# Altium PCB PCB1.PcbDoc (continued)
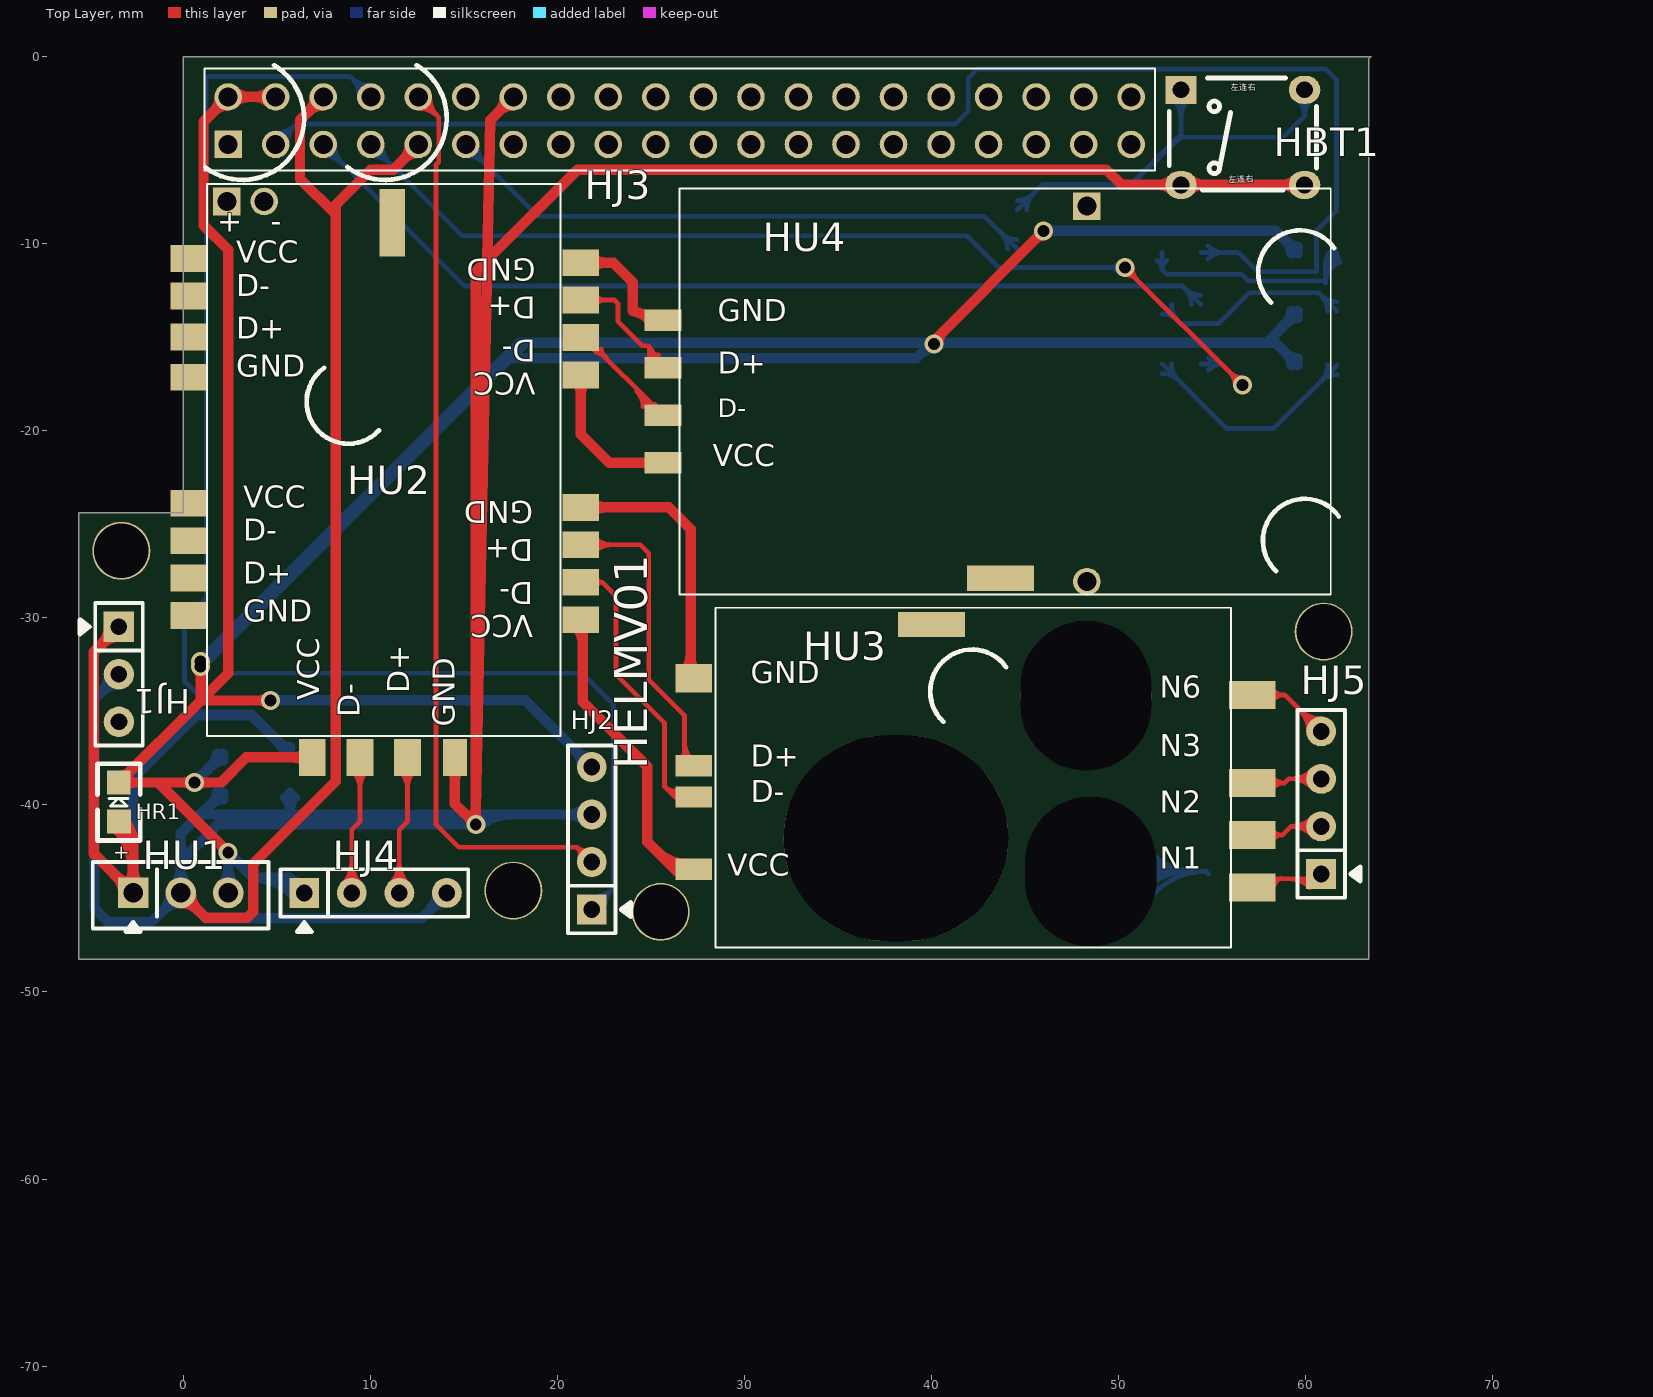
[diagram p0: Top Layer view]
## Footprints (in the part's own frame and the unit in brackets; to place one, negate y for a bottom-side part, rotate by r counter-clockwise, add the part's x,y. Pads: shape width x height; smd on the part's side, far side on the other; paste and mask are expansions set on the pad) (continued)
PI_CONNECTOR [mil] "pi3上的40针"
  rect 58x58 hole 40: 1(0,0)
  round 58 hole 40: 2(100,0) 3(0,-100) 4(100,-100) 5(0,-200) 6(100,-200) 7(0,-300) 8(100,-300) 9(0,-400) 10(100,-400) 11(0,-500) 12(100,-500) 13(0,-600) 14(100,-600) 15(0,-700) 16(100,-700) 17(0,-800) 18(100,-800) 19(0,-900) 20(100,-900) 21(0,-1000) 22(100,-1000) 23(0,-1100) 24(100,-1100) 25(0,-1200) 26(100,-1200) 27(0,-1300) 28(100,-1300) 29(0,-1400) 30(100,-1400) 31(0,-1500) 32(100,-1500) 33(0,-1600) 34(100,-1600) 35(0,-1700) 36(100,-1700) 37(0,-1800) 38(100,-1800) 39(0,-1900) 40(100,-1900)
  silkscreen extent -75,-1950 167,50
TO220_1 [mil]
  rect 64x64 hole 41: 1(0,0)
  round 65 hole 41: 2(100,0) 3(200,0)
  silkscreen extent -85,-82 285,65
USBHUB [mil] "USBÒ"
  rect 56.3x77 smd: 1(-562.95,-525) 2(-462.95,-525) 3(-362.95,-525)
  rect 51.18x77 smd: 4(-262.95,-525)
  rect 77x56.3 smd: 5(2.05,-235) 6(2.05,-156.26) 7(2.05,-77.52) 8(2.05,1.22) 9(2.05,280) 10(2.05,358.74) 11(2.05,437.48) 12(2.05,516.22) 13(-822.95,525) 14(-822.95,446.26) 15(-822.95,360) 16(-822.95,275) 17(-822.95,10) 18(-822.95,-68.74) 19(-822.95,-147.48) 20(-822.95,-226.22)
  rect 58x58 hole 40: 21(-742.95,645)
  round 58 hole 40: 22(-664.21,645)
  rect 53.15x141.73 smd: 23(-395,600)
  silkscreen extent -785,-480 -41,681
USBNET_LUSHL [mil] "铝壳USB"
  rect 45x77 smd: 1(-164.57,-45) 2(-316.93,-45) 3(-382.68,-45)
  rect 60.24x77 smd: 4(-566.54,-45)
  oval 433.07x472.44 hole 433.07 slot 472.44 at 90 deg: 5(-230,380)
  round 275.59 hole 275.59 slot 314.96 at 0 deg: 6(-530,780) 8(-160,790)
  rect 53.15x141.73 smd: 7(-680,455)
  rect 59.06x98.43 smd: 8(-126.54,1130) 9(-236.54,1130) 10(-346.54,1130) 11(-531.54,1130)
  silkscreen extent -715,0 0,1085

## Part data
HBT1: library part "HEADER 2X2"
HC1 HC2: library part CD
HJ1 HU1: library part CON3, "Connector"
HJ2 HJ4 HJ5: library part C, "Connector"
HJ3: library part PI_CONNECTOR
HL1 HL2 HL3: library part LED1
HR1 HR2 HR3 HR4 HR5: library part R
HU2: "USB一转四"
HU3: "铝壳USB转NET"
HU4: "绿联声卡"

## Free pads (board coordinates)
  round 3.099 hole 2.921: 0(-3.302,-26.416) 0(17.653,-44.577) 0(25.527,-45.72) 0(60.96,-30.734)

## Via types
v1: diameter 1.016, hole 0.635, Top Layer to Bottom Layer, 10 vias

## Nets (pads, with @x,y where several pads share a name; then routed paths per layer and width w, separated by ;. In a path a pad name is that pad's centre, name@x,y a point inside that pad or via, vN(x,y) a via of type N, cw(c..) or ccw(c..) an arc to the next point about the centre after c; other vN are vias at no path point)
NetHBT1_1: HBT1.1 HBT1.3 HR5.2 | length 34.1
  Bottom Layer w0.254: HR5.2 45.941,-6.838 50.643,-6.838 ; HR5.2@44.582,-7.689 ccw(c44.582,-6.462) 45.449,-7.329 ccw(c46.317,-8.197) HR5.2@45.09,-8.197 ; HBT1.1@52.899,-2.219 cw(c51.836,-3.282) 53.34,-3.282 cw(c54.844,-3.282) HBT1.1@53.781,-2.219 ; HBT1.1@53.079,-2.039 cw(c52.449,-2.669) 53.34,-2.669 cw(c54.231,-2.669) HBT1.1@53.601,-2.039 ; HBT1.1 53.34,-4.318 ; HBT1.3@59.528,-2.242 cw(c58.689,-3.175) 59.944,-3.175 ; HBT1.3@59.697,-2.053 cw(c59.201,-2.605) 59.944,-2.605 cw(c60.687,-2.605) HBT1.3@60.191,-2.053 ; HBT1.3 59.944,-3.175 ; HBT1.3@60.36,-2.242 ccw(c61.199,-3.175) 59.944,-3.175 ; 50.643,-6.838 53.34,-4.318 ; 50.643,-6.838 53.162,-4.318 53.34,-4.318 ; 53.34,-4.318 58.801,-4.318 59.944,-3.175
NetHBT1_2: HBT1.2 HBT1.4 HC1.2 HC2.2 HJ1.2 HJ2.3 HJ3.6 HJ3.9 HJ3.14 HJ4.4 HU1.2 HU2.4 | length 297
  Top Layer w0.559: HU1.2@-0.127,-45.25 cw(c-0.127,-46.569) 0.805,-45.636 cw(c1.738,-44.704) HU1.2@0.419,-44.704 ; HU1.2 1.206,-46.038 3.429,-46.038 3.746,-45.72 3.746,-43.142 8.153,-38.735 8.153,-8.433 ; HJ3.6@7.036,-2.159 cw(c5.932,-2.159) 6.713,-2.939 cw(c7.493,-3.72) HJ3.6@7.493,-2.616 ; HJ3.6 6.248,-3.404 6.248,-6.528 8.153,-8.433 ; HJ3.9@12.116,-4.699 cw(c11.012,-4.699) 11.793,-5.479 cw(c12.573,-6.26) HJ3.9@12.573,-5.156 ; HJ3.9 11.227,-6.045 10.033,-6.045 8.153,-7.925 8.153,-8.433 ; HU2.4@14.268,-38.055 cw(c13.635,-38.688) 14.53,-38.688 cw(c15.425,-38.688) HU2.4@14.792,-38.055 ; HU2.4 14.53,-39.93 v1(15.646,-41.046) 15.646,-40.284 ; v1@15.418,-41.046 ccw(c14.866,-41.046) 15.256,-40.656 ccw(c15.646,-40.266) v1@15.646,-40.818 ; v1@15.488,-40.881 ccw(c15.143,-40.522) 15.641,-40.532 ; 15.643,-40.456 ccw(c16.248,-40.469) v1@15.811,-40.888 ; HJ3.14@17.196,-2.159 cw(c16.092,-2.159) 16.873,-2.939 cw(c17.653,-3.72) HJ3.14@17.653,-2.616 ; HJ3.14 16.408,-3.404 16.254,-10.873 ; HBT1.2@52.919,-7.191 ccw(c52.116,-7.994) 52.116,-6.858 ccw(c52.116,-5.722) HBT1.2@52.919,-6.525 ; HBT1.2@53.761,-7.191 cw(c54.564,-7.994) 54.564,-6.858 cw(c54.564,-5.722) HBT1.2@53.761,-6.525 ; HBT1.4@59.523,-7.191 ccw(c58.72,-7.994) 58.72,-6.858 ccw(c58.72,-5.722) HBT1.4@59.523,-6.525 ; HBT1.4 HBT1.2 50.165,-6.858 49.352,-6.045 21.082,-6.045 16.254,-10.873 ; v1@15.485,-40.885 ccw(c15.095,-40.495) 15.646,-40.495 ; v1@15.485,-40.885 ccw(c15.095,-40.495) 15.646,-40.495 ; v1@15.485,-40.885 ccw(c15.095,-40.495) 15.646,-40.495 ; 15.646,-40.495 ccw(c16.198,-40.495) v1@15.808,-40.885 ; 15.646,-40.495 ccw(c16.198,-40.495) v1@15.808,-40.885 ; 15.646,-40.495 ccw(c16.198,-40.495) v1@15.808,-40.885 ; 15.646,-40.284 16.254,-10.873 ; 15.646,-40.284 15.646,-11.481 16.254,-10.873
  Bottom Layer w0.559: HJ1.2@-3.962,-33.02 cw(c-5.25,-33.02) -4.34,-33.931 cw(c-3.429,-34.841) HJ1.2@-3.429,-33.553 ; HJ1.2 -4.75,-34.341 -4.75,-45.517 -3.988,-46.279 -1.702,-46.279 HU1.2 ; HU1.2@-0.673,-44.704 cw(c-1.992,-44.704) -1.059,-45.636 cw(c-0.127,-46.569) -0.127,-45.25 cw(c-0.127,-46.569) 0.805,-45.636 cw(c1.738,-44.704) HU1.2@0.419,-44.704 ; HU1.2@-0.513,-44.318 ccw(c-1.445,-43.386) -0.127,-43.386 ccw(c1.191,-43.386) HU1.2@0.259,-44.318 ; HC2.2@1.799,-39.337 cw(c0.941,-39.3) 1.521,-39.933 cw(c2.102,-40.565) HC2.2@2.139,-39.707 ; HC2.2 0.889,-40.513 ; HC1.2@5.458,-39.604 cw(c4.851,-40.211) 5.71,-40.211 cw(c6.568,-40.211) HC1.2@5.961,-39.604 ; HC1.2 5.71,-40.513 ; HJ4.4@13.576,-44.704 cw(c12.319,-44.704) 13.208,-45.593 cw(c14.097,-46.482) HJ4.4@14.097,-45.225 ; 13.807,-40.513 cw(c13.807,-42.886) 15.485,-41.208 ccw(c15.095,-41.598) 15.095,-41.046 ccw(c15.095,-40.495) v1@15.485,-40.885 ; HJ4.4 12.751,-46.05 1.219,-46.05 HU1.2 ; 15.156,-40.513 cw(c15.156,-41.537) v1@15.88,-40.813 ; v1@15.413,-40.813 cw(c16.137,-41.537) 16.137,-40.513 ; v1@15.489,-40.881 ccw(c15.138,-40.513) 15.646,-40.513 ; v1@15.804,-40.881 cw(c16.154,-40.513) 15.646,-40.513 ; v1@15.808,-41.208 cw(c17.486,-42.886) 17.486,-40.513 ; HJ2.3@21.476,-40.881 ccw(c20.587,-41.77) 20.587,-40.513 ccw(c20.587,-39.256) HJ2.3@21.476,-40.145 ; HJ2.3 15.646,-40.513 ; HU1.2 -0.127,-43.045 ; -0.127,-43.045 1.872,-41.046 5.71,-41.046 ; -0.127,-43.045 -0.127,-41.529 0.889,-40.513 ; 0.889,-40.513 5.71,-40.513 ; 5.71,-41.046 5.71,-40.513 ; 5.71,-41.046 v1(15.646,-41.046) 15.646,-40.513 ; 5.71,-40.513 15.646,-40.513
NetHC1_1: HC1.1 HJ1.1 HR1.1 HU1.1 | length 51.3
  Top Layer w0.584: HJ1.1@-3.95,-30.48 cw(c-5.207,-30.48) -4.318,-31.369 cw(c-3.429,-32.258) HJ1.1@-3.429,-31.001 ; HR1.1@-3.672,-41.136 cw(c-6.097,-43.562) -2.667,-43.562 ; HR1.1@-3.429,-41.237 cw(c-3.429,-42.065) -2.844,-41.479 cw(c-2.258,-40.894) HR1.1@-3.086,-40.894 ; HR1.1 -2.667,-41.656 HU1.1 -4.775,-42.596 -4.775,-31.826 HJ1.1 ; HR1.1@-3.258,-40.723 cw(c-4.686,-42.151) -2.667,-42.151 ; HU1.1@-3.188,-44.704 ccw(c-4.445,-44.704) -3.556,-43.815 ccw(c-2.667,-42.926) HU1.1@-2.667,-44.183 ; HU1.1@-3.035,-44.336 ccw(c-3.924,-43.447) -2.667,-43.447 ccw(c-1.41,-43.447) HU1.1@-2.299,-44.336
  Bottom Layer w0.584: HU1.1@-3.035,-44.336 ccw(c-3.924,-43.447) -2.667,-43.447 ccw(c-1.41,-43.447) HU1.1@-2.299,-44.336 ; HU1.1 -2.667,-38.557 0.686,-35.204 3.658,-35.204 HC1.1 ; HC1.1@5.372,-37.262 ccw(c4.544,-37.262) 5.13,-36.676 ccw(c5.715,-36.091) HC1.1@5.715,-36.919
NetHC2_1: HC2.1 HJ2.4 HJ3.2 HJ3.4 HJ4.1 HL1.1 HL2.1 HL3.1 HR1.2 HU1.3 HU2.1 | length 273.7
  Top Layer w0.559: HR1.2@-3.434,-38.448 ccw(c-3.434,-37.589) -2.827,-38.197 ccw(c-2.22,-38.804) HR1.2@-3.079,-38.804 ; HR1.2@-3.183,-39.055 cw(c-2.576,-39.662) -2.576,-38.804 cw(c-2.576,-37.945) HR1.2@-3.183,-38.552 ; v1@0.455,-38.965 ccw(c0.065,-39.355) 0.065,-38.804 ccw(c0.065,-38.252) v1@0.455,-38.642 ; v1@0.779,-38.965 cw(c1.169,-39.355) 1.169,-38.804 cw(c1.169,-38.252) v1@0.779,-38.642 ; v1@0.778,-32.775 cw(c0.388,-33.165) 0.94,-33.165 cw(c1.492,-33.165) v1@1.101,-32.775 ; v1@0.778,-32.496 cw(c0.388,-32.886) 0.94,-32.886 cw(c1.492,-32.886) v1@1.101,-32.496 ; v1(0.94,-32.334) v1(0.94,-32.614) 0.94,-34.43 ; HJ3.2@1.956,-2.159 cw(c0.852,-2.159) 1.633,-2.939 cw(c2.413,-3.72) HJ3.2@2.413,-2.616 ; v1@2.184,-42.545 ccw(c1.633,-42.545) 2.023,-42.155 ccw(c2.413,-41.765) v1@2.413,-42.316 ; v1(2.413,-42.545) -1.328,-38.804 ; HJ3.2@2.736,-2.482 cw(c3.517,-3.263) 3.517,-2.159 cw(c3.517,-1.055) HJ3.2@2.736,-1.836 ; v1@4.511,-34.256 cw(c4.12,-33.867) 4.122,-34.419 cw(c4.124,-34.971) v1@4.513,-34.579 ; HJ3.4@4.63,-2.482 ccw(c3.849,-3.263) 3.849,-2.159 ccw(c3.849,-1.055) HJ3.4@4.63,-1.836 ; v1(4.674,-34.417) 0.94,-34.43 ; HJ3.4 HJ3.2 1.092,-3.48 1.092,-9.017 2.413,-10.338 2.413,-32.956 0.94,-34.43 ; HU2.1@6.602,-37.773 ccw(c5.858,-38.517) 5.858,-37.465 ccw(c5.858,-36.413) HU2.1@6.602,-37.157 ; HU2.1 3.378,-37.465 2.04,-38.804 v1(0.617,-38.804) -1.328,-38.804 ; v1(40.132,-15.367) 39.954,-15.367 v1(45.999,-9.322) ; v1@40.361,-15.367 cw(c41.342,-15.367) 40.648,-14.673 ; v1@45.771,-9.322 cw(c45.219,-9.322) 45.609,-9.712 cw(c45.999,-10.102) v1@45.999,-9.55 ; -1.328,-38.804 HR1.2 0.94,-34.43
  Bottom Layer w0.559: v1(0.617,-38.804) HC2.1 ; v1@0.617,-38.575 ccw(c0.617,-38.023) 1.007,-38.413 ccw(c1.398,-38.804) v1@0.846,-38.804 ; v1(0.94,-32.614) 17.424,-16.129 ; v1@0.94,-32.385 ccw(c0.94,-31.833) 1.33,-32.223 ccw(c1.72,-32.614) 1.168,-32.614 cw(c2.395,-32.614) 1.528,-31.746 ; v1(0.94,-32.334) 17.983,-15.291 18.263,-15.291 ; v1@1.168,-32.334 cw(c1.72,-32.334) 1.33,-31.944 cw(c0.94,-31.554) 0.94,-32.106 ccw(c0.94,-30.879) 1.807,-31.746 ; HC2.1@1.803,-37.262 cw(c0.945,-37.262) 1.552,-37.869 cw(c2.159,-38.476) HC2.1@2.159,-37.617 ; HU1.3@2.027,-44.318 ccw(c1.095,-43.386) 2.413,-43.386 ccw(c3.731,-43.386) HU1.3@2.799,-44.318 ; v1@2.251,-42.707 cw(c1.861,-43.097) 2.413,-43.097 cw(c2.965,-43.097) v1@2.575,-42.707 ; HU1.3 v1(2.413,-42.545) 3.759,-43.891 ; v1@2.413,-42.774 cw(c2.413,-43.325) 2.803,-42.935 cw(c3.193,-42.545) v1@2.642,-42.545 ; v1(4.674,-34.417) 18.288,-34.417 HJ2.4 ; v1@4.835,-34.579 cw(c5.225,-34.969) 5.225,-34.417 cw(c5.225,-33.865) v1@4.835,-34.255 ; 4.898,-43.891 cw(c4.898,-45.926) HJ4.1@6.507,-44.681 ; HJ4.1@5.957,-44.67 ccw(c4.951,-44.604) 5.664,-43.891 ; HJ4.1@6.065,-45.023 ccw(c3.759,-46.807) 3.759,-43.891 ; HJ4.1@6.443,-44.184 cw(c6.377,-43.178) 5.664,-43.891 ; HJ4.1 5.664,-43.891 ; HJ2.4@21.323,-37.973 ccw(c20.066,-37.973) 20.955,-37.084 ccw(c21.844,-36.195) HJ2.4@21.844,-37.452 ; 39.396,-15.291 cw(c39.396,-16.103) v1@39.97,-15.529 ; 39.438,-15.883 cw(c40.132,-16.577) v1@40.132,-15.596 ; v1(40.132,-15.367) 39.954,-15.367 39.192,-16.129 17.424,-16.129 ; v1@40.294,-15.529 cw(c40.868,-16.103) 40.868,-15.291 ; v1(45.999,-9.322) 58.394,-9.322 HL1.1 ; v1@46.161,-9.483 cw(c46.551,-9.874) 46.551,-9.322 cw(c46.551,-8.77) v1@46.161,-9.16 ; HL3.1@59.233,-16.485 ccw(c58.374,-16.485) 58.981,-15.878 ccw(c59.588,-15.271) HL3.1@59.588,-16.129 ; HL2.1@59.233,-13.614 cw(c58.374,-13.614) 58.981,-14.221 cw(c59.588,-14.828) HL2.1@59.588,-13.97 ; HL1.1@59.233,-10.516 ccw(c58.374,-10.516) 58.981,-9.909 ccw(c59.588,-9.302) HL1.1@59.588,-10.16 ; HL3.1 58.394,-15.291 57.912,-15.291 ; HL2.1 57.912,-15.291 ; 3.759,-43.891 5.664,-43.891 ; 17.424,-16.129 18.263,-15.291 ; 18.263,-15.291 57.912,-15.291
NetHJ2_1: HJ2.1 HJ3.8 | length 85.5
  Bottom Layer w0.254: HJ3.8@9.423,-2.159 ccw(c7.952,-2.159) 8.992,-1.118 ccw(c10.033,-0.078) HJ3.8@10.033,-1.549 ; HJ3.8@9.677,-2.159 ccw(c8.819,-2.159) 9.426,-1.552 ccw(c10.033,-0.945) HJ3.8@10.033,-1.803 ; HJ3.8 8.941,-1.067 1.321,-1.067 1.245,-1.143 1.245,-28.956 0.076,-30.124 0.076,-33.401 0.584,-33.909 1.626,-33.909 2.565,-32.969 21.336,-32.969 23.012,-34.646 23.012,-44.425 HJ2.1 ; HJ2.1@21.844,-45.174 ccw(c21.844,-44.162) 22.559,-44.878 ccw(c23.275,-45.593) HJ2.1@22.263,-45.593 ; HJ2.1@21.844,-44.92 ccw(c21.844,-43.295) 22.993,-44.444 ccw(c24.142,-45.593) HJ2.1@22.517,-45.593
NetHJ2_2: HJ2.2 HJ3.10 | length 53.5
  Top Layer w0.254: HJ3.10@12.573,-2.769 cw(c12.573,-4.24) 13.614,-3.2 cw(c14.654,-2.159) HJ3.10@13.183,-2.159 ; HJ3.10@12.573,-2.515 cw(c12.573,-3.373) 13.18,-2.766 cw(c13.787,-2.159) HJ3.10@12.929,-2.159 ; HJ3.10 13.665,-3.251 13.665,-5.639 13.513,-5.791 13.513,-41.046 14.733,-42.266 21.057,-42.266 ; HJ2.2@21.201,-42.853 ccw(c20.643,-42.679) 21.057,-42.266 ; HJ2.2@21.644,-42.41 cw(c21.47,-41.852) 21.057,-42.266 ; HJ2.2 21.057,-42.266
NetHJ3_3: HJ3.3 HR2.2 | length 82.5
  Bottom Layer w0.254: HJ3.3 6.045,-3.607 41.275,-3.607 41.961,-2.921 41.961,-1.168 42.469,-0.66 61.062,-0.66 61.646,-1.245 61.646,-8.255 60.579,-9.322 60.579,-11.506 57.429,-11.506 56.392,-10.47 HR2.2 ; HJ3.3@4.953,-4.343 ccw(c4.953,-3.485) 5.56,-4.092 ccw(c6.167,-4.699) HJ3.3@5.309,-4.699 ; HJ3.3@4.953,-4.089 ccw(c4.953,-2.618) 5.994,-3.658 ccw(c7.034,-4.699) HJ3.3@5.563,-4.699 ; HR2.2@54.773,-10.829 cw(c55.641,-11.696) 55.641,-10.47 cw(c55.641,-9.243) HR2.2@54.773,-10.111
NetHJ3_5: HJ3.5 HR3.2 | length 56.1
  Bottom Layer w0.254: HJ3.5@7.493,-5.309 cw(c7.493,-6.78) 8.534,-5.74 cw(c9.574,-4.699) HJ3.5@8.103,-4.699 ; HJ3.5@7.493,-5.055 cw(c7.493,-5.913) 8.1,-5.306 cw(c8.707,-4.699) HJ3.5@7.849,-4.699 ; HJ3.5 15.062,-12.268 53.419,-12.268 HR3.2 ; HR3.2@53.906,-13.264 ccw(c52.68,-13.264) 53.547,-12.397 ccw(c54.414,-11.529) HR3.2@54.414,-12.756
NetHJ3_7: HJ3.7 HR4.2 | length 65.6
  Top Layer w0.254: v1@50.343,-11.659 cw(c50.343,-12.578) 50.993,-11.928 cw(c51.644,-11.278) v1@50.724,-11.278 ; v1(50.343,-11.278) v1(56.617,-17.551) ; v1@56.236,-17.551 ccw(c55.316,-17.551) 55.966,-16.901 ccw(c56.617,-16.251) v1@56.617,-17.17
  Bottom Layer w0.254: HJ3.7@10.033,-5.309 cw(c10.033,-6.78) 11.074,-5.74 cw(c12.114,-4.699) HJ3.7@10.643,-4.699 ; HJ3.7@10.033,-5.055 cw(c10.033,-5.913) 10.64,-5.306 cw(c11.247,-4.699) HJ3.7@10.389,-4.699 ; HJ3.7 14.91,-9.576 41.885,-9.576 43.586,-11.278 v1(50.343,-11.278) ; v1@50.073,-11.547 ccw(c49.423,-12.197) 49.423,-11.278 ccw(c49.423,-10.358) v1@50.073,-11.008 ; HR4.2 55.504,-16.439 ; HR4.2@54.803,-16.766 cw(c55.504,-17.354) 55.504,-16.439 ; HR4.2@54.803,-16.112 ccw(c55.504,-15.524) 55.504,-16.439 ; v1@56.236,-17.551 ccw(c55.316,-17.551) 55.966,-16.901 ccw(c56.617,-16.251) v1@56.617,-17.17 ; v1(56.617,-17.551) 55.504,-16.439
NetHJ3_11: HJ3.11 HR5.1 | length 37.4
  Bottom Layer w0.254: HJ3.11@15.113,-5.309 cw(c15.113,-6.78) 16.154,-5.74 cw(c17.194,-4.699) HJ3.11@15.723,-4.699 ; HJ3.11@15.113,-5.055 cw(c15.113,-5.913) 15.72,-5.306 cw(c16.327,-4.699) HJ3.11@15.469,-4.699 ; HJ3.11 18.948,-8.534 42.824,-8.534 HR5.1 ; HR5.1@44.069,-10.287 ccw(c42.843,-10.287) 43.71,-9.42 ccw(c44.577,-8.553) HR5.1@44.577,-9.779
NetHJ4_2: HJ4.2 HU2.2 | length 15.1
  Top Layer w0.254: HJ4.2@8.541,-44.228 ccw(c7.392,-43.079) 9.017,-43.079 ccw(c10.642,-43.079) HJ4.2@9.493,-44.228 ; HJ4.2@8.721,-44.408 ccw(c8.005,-43.692) 9.017,-43.692 ccw(c10.029,-43.692) HJ4.2@9.313,-44.408 ; HJ4.2 9.017,-41.326 9.45,-40.893 HU2.2 ; HU2.2@9.034,-38.144 cw(c8.03,-39.147) 9.45,-39.147 cw(c10.87,-39.147) HU2.2@9.866,-38.144 ; HU2.2@9.214,-37.964 cw(c8.644,-38.534) 9.45,-38.534 cw(c10.256,-38.534) HU2.2@9.686,-37.964
NetHJ4_3: HJ4.3 HU2.3 | length 15.1
  Top Layer w0.254: HJ4.3@11.081,-44.228 ccw(c9.932,-43.079) 11.557,-43.079 ccw(c13.182,-43.079) HJ4.3@12.033,-44.228 ; HJ4.3@11.261,-44.408 ccw(c10.545,-43.692) 11.557,-43.692 ccw(c12.569,-43.692) HJ4.3@11.853,-44.408 ; HJ4.3 11.557,-41.326 11.99,-40.893 HU2.3 ; HU2.3@11.574,-38.144 cw(c10.57,-39.147) 11.99,-39.147 cw(c13.41,-39.147) HU2.3@12.406,-38.144 ; HU2.3@11.754,-37.964 cw(c11.184,-38.534) 11.99,-38.534 cw(c12.796,-38.534) HU2.3@12.226,-37.964
NetHJ5_1: HJ5.1 HU3.8 | length 39.2
  Top Layer w0.254: HU3.8@58.23,-44.416 cw(c59.637,-45.175) 58.653,-43.915 ; 59.092,-43.942 cw(c59.092,-45.54) HJ5.1@60.228,-44.416
  Bottom Layer w0.254: HU3.8@48.514,-43.561 54.686,-43.561 ; HU3.8@50.284,-44.697 cw(c52.362,-46.03) 52.362,-43.561 cw(c52.362,-41.092) HU3.8@50.284,-42.425 ; HU3.8@50.498,-44.834 cw(c52.827,-46.328) 52.827,-43.561 cw(c52.827,-40.794) HU3.8@50.498,-42.288 ; HU3.8@50.712,-44.971 cw(c53.292,-46.627) 53.292,-43.561 cw(c53.292,-40.495) HU3.8@50.712,-42.151 ; HU3.8@50.925,-45.108 cw(c53.756,-46.925) 53.756,-43.561 cw(c53.756,-40.197) HU3.8@50.925,-42.014 ; HU3.8@51.139,-41.877 ccw(c54.221,-39.899) 54.221,-43.561 ; HU3.8@51.353,-45.383 cw(c54.686,-47.521) 54.686,-43.561 ; 54.813,-43.688 54.686,-43.561
NetHJ5_2: HJ5.2 HU3.9 | length 9.3
  Top Layer w0.254: HU3.9 58.75,-41.617 ; HU3.9@58.184,-41.937 cw(c58.75,-42.277) 58.75,-41.617 ; HU3.9@58.184,-41.297 ccw(c58.75,-40.957) 58.75,-41.617 ; HJ5.2@60.355,-41.622 ccw(c59.219,-42.746) 59.219,-41.148 ; HJ5.2@60.355,-40.674 cw(c59.219,-39.55) 59.219,-41.148 ; HJ5.2@60.535,-41.443 ccw(c59.828,-42.143) 59.828,-41.148 ccw(c59.828,-40.153) HJ5.2@60.535,-40.853 ; HJ5.2 59.219,-41.148 ; 58.75,-41.617 59.219,-41.148
NetHJ5_3: HJ5.3 HU3.10 | length 9.6
  Top Layer w0.254: HU3.10 58.877,-38.823 ; HU3.10@58.153,-39.191 cw(c58.877,-39.72) 58.877,-38.823 ; HU3.10@58.153,-38.455 ccw(c58.877,-37.926) 58.877,-38.823 ; HJ5.3@60.357,-39.084 ccw(c59.208,-40.233) 59.208,-38.608 ccw(c59.208,-36.983) HJ5.3@60.357,-38.132 ; HJ5.3@60.537,-38.904 ccw(c59.821,-39.62) 59.821,-38.608 ccw(c59.821,-37.596) HJ5.3@60.537,-38.312 ; HJ5.3 59.092,-38.608 58.877,-38.823
NetHJ5_4: HJ5.4 HU3.11 | length 10.3
  Top Layer w0.254: HU3.11 58.889,-34.124 ; HU3.11@58.15,-34.496 cw(c58.889,-35.044) 58.889,-34.124 ; HU3.11@58.15,-33.752 ccw(c58.889,-33.204) 58.889,-34.124 ; HJ5.4@60.16,-36.068 ccw(c58.535,-36.068) 59.684,-34.919 ccw(c60.833,-33.77) HJ5.4@60.833,-35.395 ; HJ5.4@60.414,-36.068 ccw(c59.402,-36.068) 60.118,-35.353 ccw(c60.833,-34.637) HJ5.4@60.833,-35.649 ; HJ5.4 58.889,-34.124
NetHL1_K: HL1.2 HR2.1 | length 17.7
  Bottom Layer w0.254: HR2.1@52.056,-10.896 cw(c51.755,-11.379) 52.324,-11.379 ; HR2.1 52.324,-11.379 ; HR2.1@52.592,-10.896 ccw(c52.892,-11.379) 52.324,-11.379 ; 61.061,-12.113 cw(c62.243,-12.113) HL1.2@61.848,-11 ; 61.061,-11.754 cw(c62.116,-11.754) HL1.2@61.764,-10.76 ; 61.061,-11.394 cw(c61.988,-11.394) HL1.2 61.061,-11.138 61.061,-11.989 56.946,-11.989 56.589,-11.632 52.577,-11.632 52.324,-11.379 ; HL1.2@61.061,-11.035 cw(c61.861,-11.035) HL1.2@61.594,-10.281
NetHL2_K: HL2.2 HR3.1 | length 14.7
  Bottom Layer w0.254: HR3.1@52.324,-13.767 cw(c52.324,-14.993) 53.191,-14.126 cw(c54.058,-13.259) HR3.1@52.832,-13.259 ; HR3.1 53.34,-14.275 55.347,-14.275 56.998,-12.624 60.683,-12.624 HL2.2 ; HL2.2@61.171,-13.619 ccw(c59.944,-13.619) 60.811,-12.752 ccw(c61.679,-11.885) HL2.2@61.679,-13.111
NetHL3_K: HL3.2 HR4.1 | length 16
  Bottom Layer w0.254: HR4.1@52.324,-16.942 cw(c52.324,-18.168) 53.191,-17.301 cw(c54.058,-16.434) HR4.1@52.832,-16.434 ; HR4.1 55.778,-19.888 58.28,-19.888 HL3.2 ; HL3.2@61.171,-16.49 cw(c59.944,-16.49) 60.811,-17.357 cw(c61.679,-18.224) HL3.2@61.679,-16.998
NetHU2_5: HU2.5 HU3.1 | length 21.4
  Top Layer w0.559: HU2.5@20.953,-30.407 cw(c19.967,-31.393) 21.361,-31.393 ; HU2.5 21.361,-30.099 21.361,-34.493 24.816,-37.948 24.816,-41.972 26.289,-43.445 ; 21.361,-30.908 cw(c22.07,-30.908) HU2.5@21.569,-30.407 ; 25.359,-42.515 ccw(c26.899,-40.976) HU3.1@26.899,-43.153 ; 26.313,-43.469 ccw(c26.899,-42.884) HU3.1@26.899,-43.712 ; HU3.1@26.671,-43.628 ccw(c26.289,-43.935) 26.289,-43.445 ; HU3.1@26.671,-43.262 cw(c26.289,-42.955) 26.289,-43.445 ; HU3.1 26.289,-43.445
NetHU2_6: HU2.6 HU3.2 | length 19.3
  Top Layer w0.254: HU2.6 22.409,-28.099 ; HU2.6@22.066,-28.327 cw(c22.409,-28.472) 22.409,-28.099 ; HU2.6@22.066,-27.871 ccw(c22.409,-27.726) 22.409,-28.099 ; 25.981,-39.267 ccw(c26.493,-38.754) HU3.2@26.814,-39.404 ; 26.231,-39.517 ccw(c26.659,-39.09) HU3.2@26.927,-39.632 ; HU3.2@26.475,-39.711 ccw(c26.289,-39.771) 26.289,-39.575 ; HU3.2@26.475,-39.439 cw(c26.289,-39.379) 26.289,-39.575 ; HU3.2@26.702,-39.176 cw(c26.328,-38.419) 25.73,-39.016 ; HU3.2 26.289,-39.575 ; 22.409,-28.099 23.139,-28.829 23.139,-33.02 25.73,-35.611 25.73,-39.016 ; 25.73,-39.016 26.289,-39.575
NetHU2_7: HU2.7 HU3.3 | length 22.3
  Top Layer w0.254: HU2.7 24.448,-26.099 24.892,-26.543 24.892,-33.299 26.797,-35.204 26.797,-37.905 HU3.3 ; HU2.7@21.76,-26.335 cw(c22.33,-26.905) 22.33,-26.099 cw(c22.33,-25.293) HU2.7@21.76,-25.863 ; HU2.7@21.94,-26.515 cw(c22.943,-27.519) 22.943,-26.099 cw(c22.943,-24.679) HU2.7@21.94,-25.683 ; HU3.3@26.584,-37.591 ccw(c26.071,-37.077) 26.797,-37.077 ; 26.797,-37.2 ccw(c27.604,-37.2) HU3.3@27.033,-37.77 ; 26.797,-36.587 ccw(c28.217,-36.587) HU3.3@27.213,-37.591
NetHU2_8: HU2.8 HU3.4 | length 18
  Top Layer w0.559: HU2.8 25.953,-24.099 27.127,-25.273 27.127,-33.235 HU3.4 ; HU2.8@21.832,-24.407 cw(c22.576,-25.151) 22.576,-24.099 cw(c22.576,-23.047) HU2.8@21.832,-23.791 ; HU3.4@26.749,-32.892 ccw(c25.835,-31.978) 27.127,-31.978 ; 27.127,-32.147 ccw(c28.18,-32.147) HU3.4@27.435,-32.892
NetHU2_9: HU2.9 HU4.1 | length 11
  Top Layer w0.559: HU2.9@20.953,-17.326 cw(c20.209,-18.07) 21.261,-18.07 cw(c22.313,-18.07) HU2.9@21.569,-17.326 ; HU2.9 21.261,-20.193 22.785,-21.717 HU4.1 ; HU4.1@25.041,-21.924 ccw(c24.542,-22.422) 24.542,-21.717 ccw(c24.542,-21.012) HU4.1@25.041,-21.51
NetHU2_10: HU2.10 HU4.2 | length 8.9
  Top Layer w0.254: HU2.10 21.495,-15.018 HU4.2 ; HU2.10@21.905,-15.604 ccw(c22.352,-15.372) 22.352,-15.875 ; 22.352,-15.621 ccw(c22.855,-15.621) 22.623,-16.068 ; 24.257,-17.907 cw(c23.455,-18.709) 24.589,-18.709 ; 24.511,-18.288 ccw(c25.226,-17.573) 25.226,-18.584
NetHU2_11: HU2.11 HU4.3 | length 10.3
  Top Layer w0.254: HU2.11 23.067,-13.018 23.241,-13.193 23.241,-14.149 24.548,-15.457 24.855,-15.457 24.917,-15.519 ; HU2.11@22.033,-13.312 cw(c22.543,-13.607) 22.543,-13.018 cw(c22.543,-12.429) HU2.11@22.033,-12.724 ; HU4.3@24.905,-16.142 cw(c24.518,-16.529) HU4.3@25.059,-16.609 ; 24.917,-15.748 ccw(c25.416,-15.249) 25.416,-15.955 ; HU4.3@25.177,-16.306 ccw(c24.266,-16.17) 24.917,-15.519 ; HU4.3 24.917,-16.637 24.917,-15.519
NetHU2_12: HU2.12 HU4.4 | length 9
  Top Layer w0.559: HU2.12 22.981,-11.018 24.028,-12.065 24.028,-13.589 HU4.4 ; HU2.12@21.832,-11.326 cw(c22.576,-12.07) 22.576,-11.018 cw(c22.576,-9.966) HU2.12@21.832,-10.71 ; 24.331,-13.684 cw(c23.998,-14.752) HU4.4@24.989,-14.233
pads on no net: HJ1.3 HJ3.1 HJ3.12 HJ3.13 HJ3.15 HJ3.16 HJ3.17 HJ3.18 HJ3.19 HJ3.20 HJ3.21 HJ3.22 HJ3.23 HJ3.24 HJ3.25 HJ3.26 HJ3.27 HJ3.28 HJ3.29 HJ3.30 HJ3.31 HJ3.32 HJ3.33 HJ3.34 HJ3.35 HJ3.36 HJ3.37 HJ3.38 HJ3.39 HJ3.40 HU2.13 HU2.14 HU2.15 HU2.16 HU2.17 HU2.18 HU2.19 HU2.20 HU2.21 HU2.22 HU2.23 HU3.5 HU3.6 HU3.7 HU4.5 HU4.6 HU4.7
copper on no net: | length 2.5
  Top Layer w0.254: 57.912,-43.942 60.452,-43.942

## Polygon pours and split planes (outlines as drawn)
no net on Internal Plane 1 (split plane): 62.863,-47.75 18.417,-47.75 18.417,-22.481 62.863,-22.481
no net on Internal Plane 1 (split plane): 62.863,-21.461 17.907,-21.461 17.807,-21.47 17.712,-21.499 17.623,-21.547 17.546,-21.61 17.483,-21.687 17.435,-21.776 17.406,-21.871 17.397,-21.971 17.397,-47.75 -5.078,-47.75 -5.078,-24.894 0,-24.894 0.1,-24.885 0.195,-24.856 0.284,-24.808 0.361,-24.745 0.424,-24.668 0.472,-24.579 0.501,-24.484 0.51,-24.384 0.51,-0.51 62.863,-0.51
no net on Internal Plane 2 (split plane): 62.863,-47.75 18.417,-47.75 18.417,-22.481 62.863,-22.481
no net on Internal Plane 2 (split plane): 62.863,-21.461 17.907,-21.461 17.807,-21.47 17.712,-21.499 17.623,-21.547 17.546,-21.61 17.483,-21.687 17.435,-21.776 17.406,-21.871 17.397,-21.971 17.397,-47.75 -5.078,-47.75 -5.078,-24.894 0,-24.894 0.1,-24.885 0.195,-24.856 0.284,-24.808 0.361,-24.745 0.424,-24.668 0.472,-24.579 0.501,-24.484 0.51,-24.384 0.51,-0.51 62.863,-0.51

## Silkscreen, mask and mechanical layers (free items; w line width, h text height)
Top Overlay:
  text "HELMV01" at 25.4,-38.1 h3 r90
Bottom Overlay:
  text "HELMV01" at 32.512,-25.4 h3

## Text inside footprints (layer, text, board x,y; h text height)
HBT1: Top Overlay "左连右" at 56.007,-1.905 h0.56; Top Overlay "左连右" at 55.88,-6.858 h0.56 r2.73
HC1: Bottom Overlay "+" at 6.198,-36.017 h0.76 r90
HC2: Bottom Overlay "+" at 2.642,-36.017 h0.76 r90
HL1: Bottom Overlay "+" at 58.344,-10.033 h0.76 r180
HL2: Bottom Overlay "+" at 58.344,-13.132 h0.76 r180
HL3: Bottom Overlay "+" at 58.344,-16.002 h0.76 r180
HR1: Top Overlay "+" at -2.946,-42.139 h0.76 r90
HR2: Bottom Overlay "+" at 51.079,-9.982 h0.76 r180
HR3: Bottom Overlay "+" at 51.079,-12.776 h0.76 r180
HR4: Bottom Overlay "+" at 51.079,-15.951 h0.76 r180
HR5: Bottom Overlay "+" at 44.094,-11.532 h0.76 r270
HU2: Top Overlay "VCC" at 7.672,-34.417 h2 r90; Top Overlay "D-" at 9.831,-35.306 h2 r90; Top Overlay "D+" at 12.498,-34.036 h2 r90; Top Overlay "GND" at 14.911,-35.814 h2 r90; Top Overlay "GND" at 18.721,-23.368 h2 r180; Top Overlay "D+" at 18.721,-25.4 h2 r180; Top Overlay "D-" at 18.721,-27.686 h2 r180; Top Overlay "VCC" at 18.721,-29.464 h2 r180; Top Overlay "VCC" at 18.848,-16.51 h2 r180; Top Overlay "D-" at 18.848,-14.732 h2 r180; Top Overlay "D+" at 18.848,-12.446 h2 r180; Top Overlay "GND" at 18.848,-10.414 h2 r180; Top Overlay "VCC" at 2.846,-11.43 h2; Top Overlay "D-" at 2.846,-13.208 h2; Top Overlay "D+" at 2.846,-15.494 h2; Top Overlay "GND" at 2.846,-17.526 h2; Top Overlay "VCC" at 3.227,-24.511 h2; Top Overlay "D-" at 3.227,-26.289 h2; Top Overlay "D+" at 3.227,-28.575 h2; Top Overlay "GND" at 3.227,-30.607 h2; Top Overlay "+   -" at 1.83,-9.779 h2
HU3: Top Overlay "N6" at 52.197,-34.671 h2; Top Overlay "N3" at 52.197,-37.804 h2; Top Overlay "N2" at 52.197,-40.809 h2; Top Overlay "N1" at 52.197,-43.815 h2; Top Overlay "GND" at 30.353,-33.909 h2; Top Overlay "D+" at 30.353,-38.354 h2; Top Overlay "D-" at 30.353,-40.259 h2; Top Overlay "VCC" at 29.083,-44.196 h2
HU4: Top Overlay "GND" at 28.575,-14.55 h2; Top Overlay "D+" at 28.575,-17.344 h2; Top Overlay "D-" at 28.575,-19.63 h1.71; Top Overlay "VCC" at 28.321,-22.297 h2